# Altium PCB RS2-708_V010.PcbDoc (part 3 of 4)
Units mil, origin at the board's own origin, x right, y up, seen from the top; angles counter-clockwise.
Board outline 2677.17 x 2677.17 mil, 4 copper layers (Top Layer, Layer 1, Layer 2, Bottom Layer), stack 30.841 mil thick; 243 components, 173 nets, 854 pads, 395 vias.
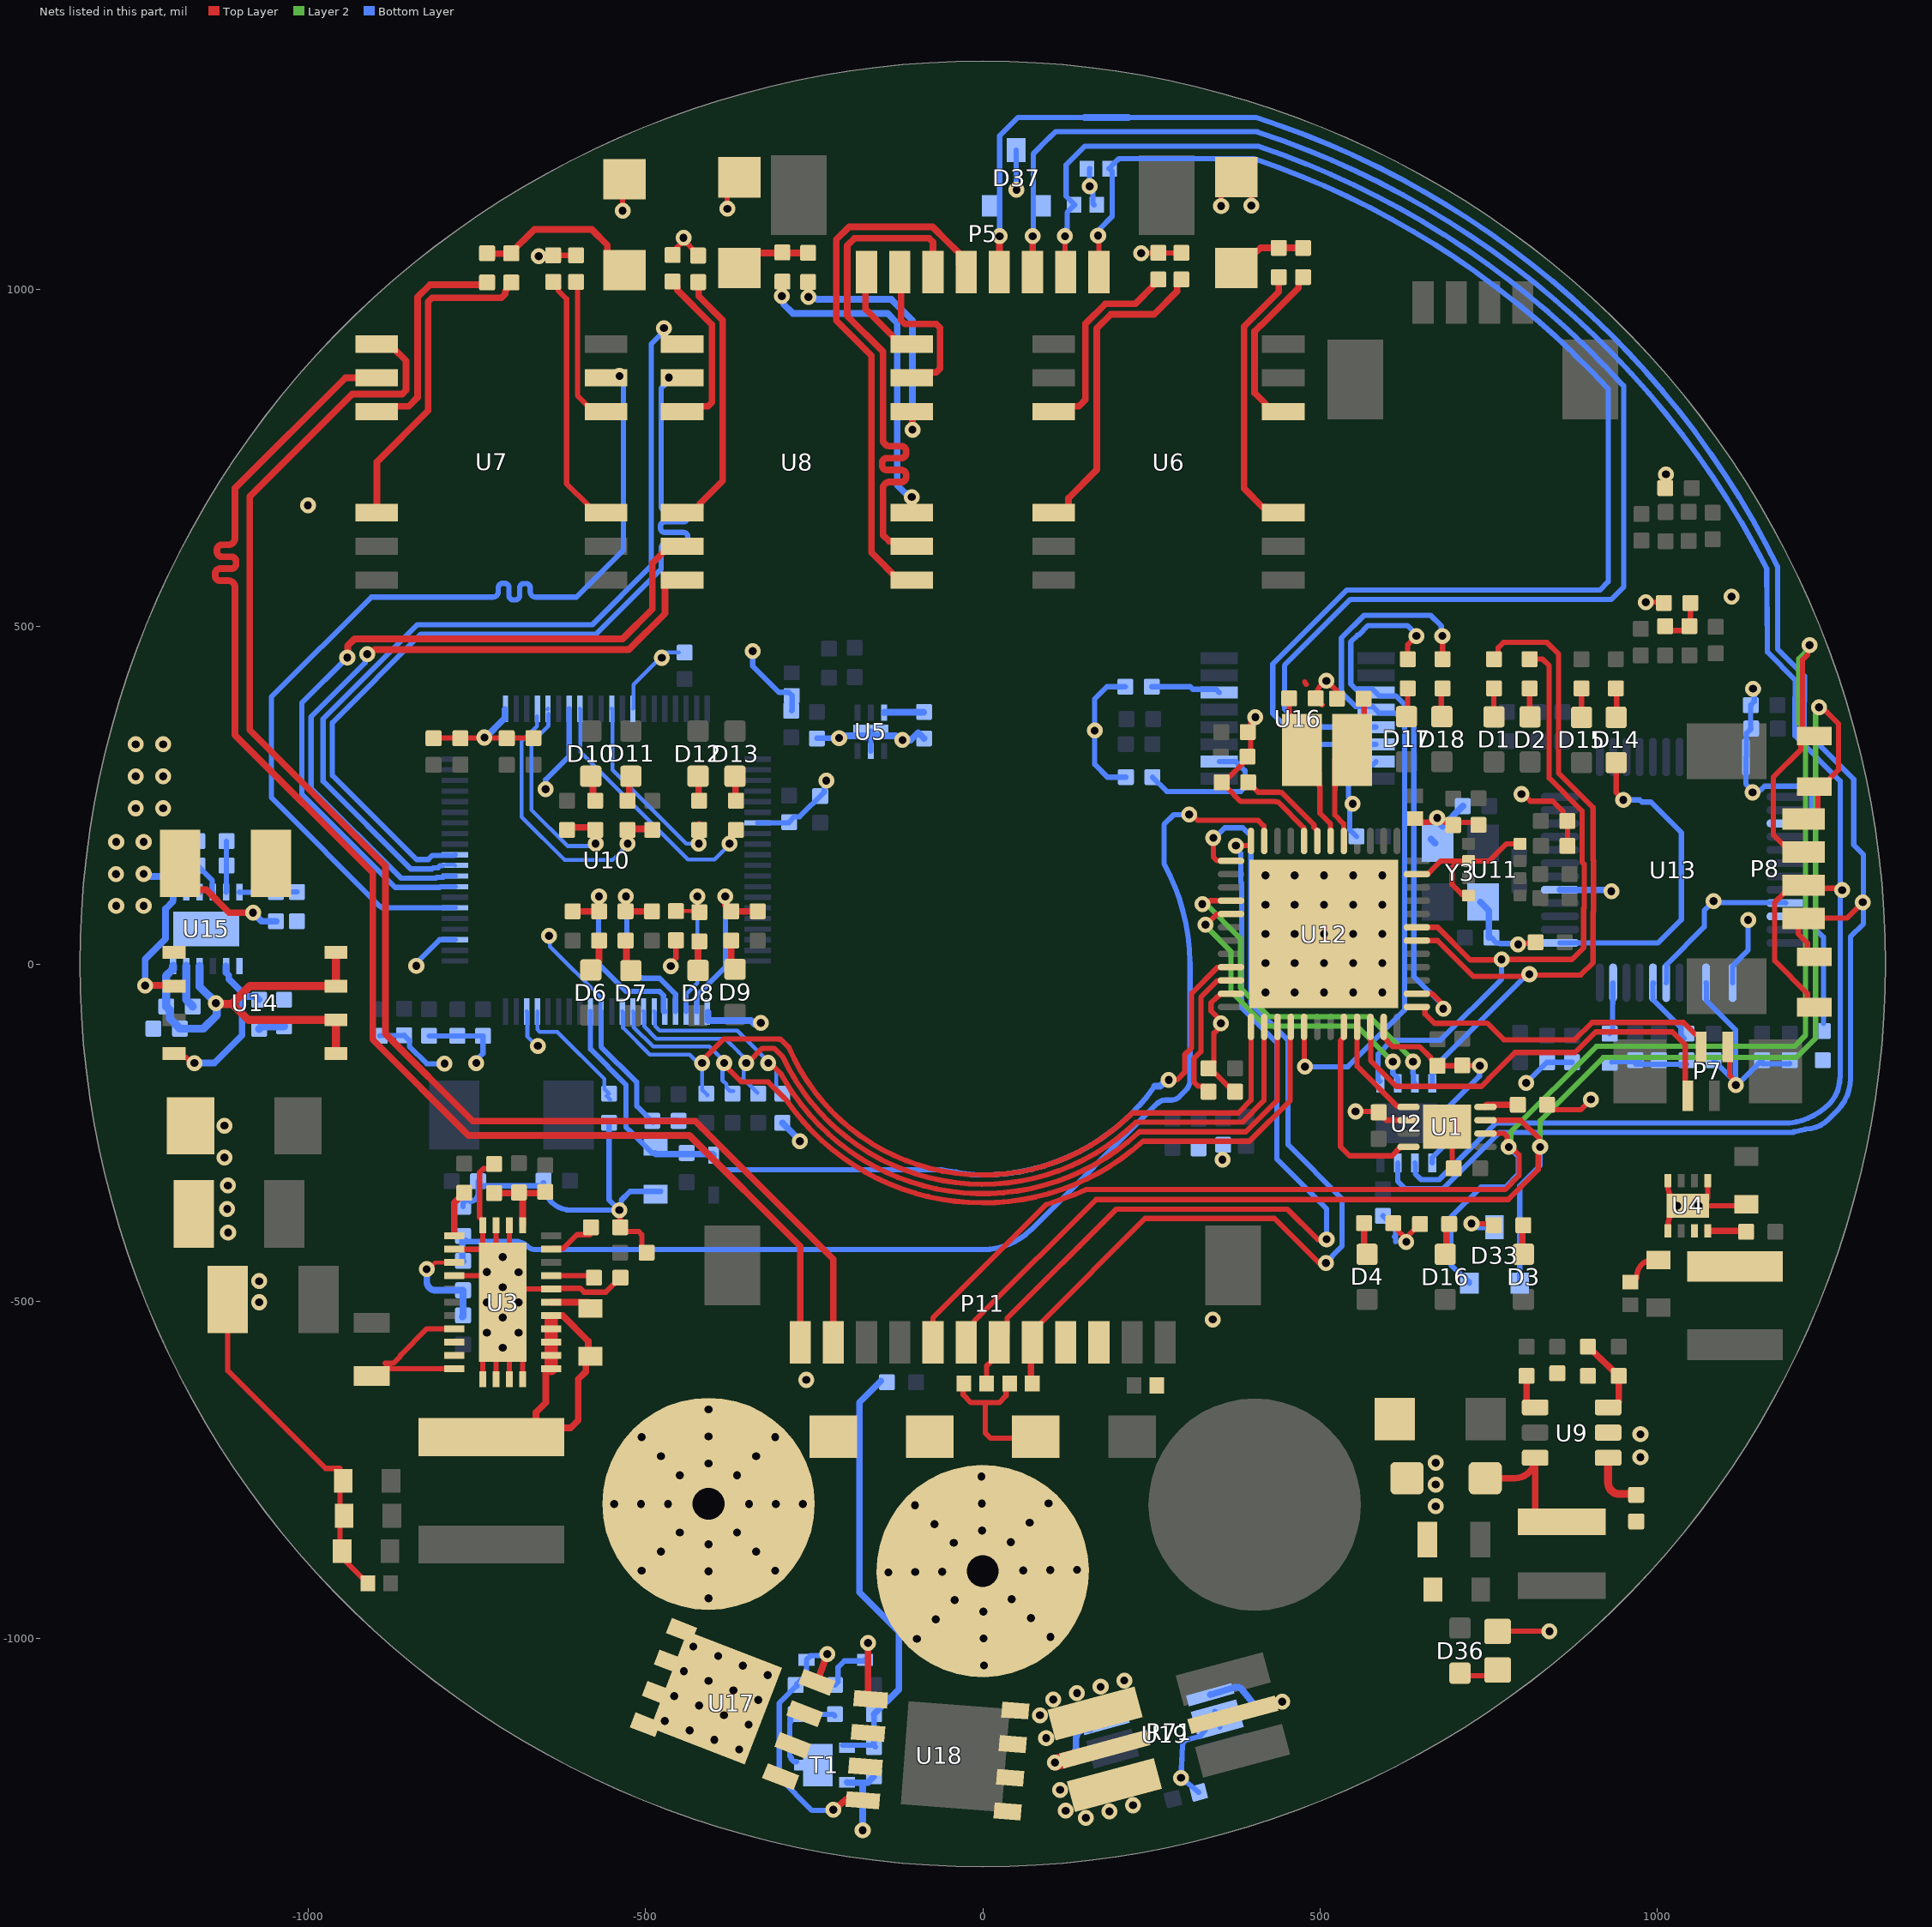
[diagram p5: the nets of this part, all layers, seen from the top]

## Via types
v1: diameter 23.62, hole 11.81, Top Layer to Bottom Layer, tented both sides, 246 vias
v2: diameter 23.62, hole 11.81, Top Layer to Bottom Layer, tented bottom, 109 vias
v3: diameter 23.62, hole 11.81, Top Layer to Bottom Layer, 37 vias
v4: diameter 78.74, hole 47.24, Top Layer to Bottom Layer, tented bottom, 3 vias

## Nets (pads, with @x,y where several pads share a name; then routed paths per layer and width w, separated by ;. In a path a pad name is that pad's centre, name@x,y a point inside that pad or via, vN(x,y) a via of type N, cw(c..) or ccw(c..) an arc to the next point about the centre after c; other vN are vias at no path point) (continued)
C_TD_P: U7.7 U10.6 | length 1428.2
  Bottom Layer w7.87: U10.6@-782.41,83.13 -890.38,83.13 -892.35,85.1 -893.31,85.1 -1054.97,246.76 -1054.97,395.51 -906.48,544 -730.07,544 -726.14,544 ccw(c-726.14,551.87) -718.26,551.87 -718.26,557.99 cw(c-711.96,557.99) -711.96,564.29 -708.81,564.29 cw(c-708.81,557.99) -702.51,557.99 -702.51,546.08 ccw(c-696.22,546.08) -696.22,539.78 -693.07,539.78 ccw(c-693.07,546.08) -686.77,546.08 -686.77,557.72 cw(c-680.47,557.72) -680.47,564.02 -677.32,564.02 cw(c-677.32,557.72) -671.02,557.72 -671.02,551.87 ccw(c-663.14,551.87) -663.14,544 -618.71,544 -602.49,544 -532.74,613.75 -532.74,861.55 -538.64,867.46 v1(-538.64,871.72)
C_TX+: P11.12 U7.10 | length 2161.4
  Top Layer w9.84: U7.10@-909,869 -945,869 -1108.75,705.25 -1108.75,647.56 -1108.75,631.33 cw(c-1118.59,631.33) -1118.59,621.49 -1128.34,621.49 ccw(c-1128.34,614.4) -1135.42,614.4 -1135.42,610.86 ccw(c-1128.34,610.86) -1128.34,603.77 -1114.27,603.77 cw(c-1114.27,596.69) -1107.19,596.69 -1107.19,593.14 cw(c-1114.27,593.14) -1114.27,586.06 -1131.05,586.06 ccw(c-1131.05,578.97) -1138.14,578.97 -1138.14,575.43 ccw(c-1131.05,575.43) -1131.05,568.34 -1118.59,568.34 cw(c-1118.59,558.5) -1108.75,558.5 -1108.75,553.58 -1108.75,339.38 -904.56,135.19 -904.56,-112.18 -762.39,-254.35 -434.89,-254.35 -270.67,-418.56 P11.12@-270.67,-561.02
C_TX-: P11.11 U7.9 | length 2172
  Top Layer w9.84: U7.9@-873,912 -855,894 -855,850.77 -860.77,845 -935,845 -1087,693 -1087,346.83 -885.69,145.52 -885.69,-103.66 -756.21,-233.13 -426.1,-233.13 -221.46,-437.78 P11.11@-221.46,-561.02
CAN1_RX: U1.4 U12.32 | length 291.9
  Top Layer w7.87: U12.32@535.53,-93.3 535.53,-108.6 530.45,-113.67 530.45,-270.93 544.06,-284.53 606.76,-284.53 618.61,-272.68 620.13,-271.17 U1.4@631.41,-271.17
CAN1_TX: U1.1 U12.33 | length 159.5
  Top Layer w7.87: U12.33@555.21,-93.3 555.21,-151.57 615.37,-211.73 631.03,-211.73 U1.1@631.41,-212.11
CAN_H: D33.1 P8.1 P11.7 R39.1 U1.7 | length 2502.2
  Top Layer w7.87: P11.7@-24.61,-561.02 -12.8,-549.21 -12.8,-530.06 -4.66,-521.93 167.87,-349.4 779.41,-349.4 823.71,-305.1 v1@823.71,-271.49 ; U1.7@745.58,-231.8 797.87,-231.8 v1@826.08,-260 ; P8.1@1217.24,215.05 1226.74,215.05 1238.55,226.86 R39.1@1238.55,259.33 ; R39.1@1233.25,263.07 1238.55,263.07 1245.06,263.07 1254.91,272.91 1254.91,273.47 1268.96,287.53 1268.96,356.23 1251.45,373.75 1251.03,373.75 1243.31,381.47 v1@1240.49,381.47
  Layer 2 w7.87: v1(826.51,-271.43) 826.68,-271.26 826.68,-232.32 920.33,-138.67 1206.53,-138.67 1234.95,-110.25 v1@1234.95,373.01
  Bottom Layer w7.87: D33.1@796.35,-473.28 796.35,-328.96 826.61,-298.7 v1@826.61,-268.7
  other v1: 1240,380.51
CAN_L: D33.2 P8.2 P11.8 R39.2 U1.6 | length 2821.8
  Top Layer w7.87: P11.8@-73.82,-572.83 P11.8@-73.82,-561.02 -73.82,-524.82 94.04,-356.96 120.09,-347.97 ccw(c0,0) 153.57,-334.54 774.78,-334.54 795.33,-314 795.33,-283.02 783.74,-271.43 v1@782.94,-271.43 ; U1.6@750.37,-251.1 772.64,-251.1 777.67,-256.13 777.67,-269.08 v1(780.03,-271.43) ; P8.2@1188.85,175.39 1172.36,191.88 1172.36,276.98 1213.09,317.71 1213.09,328.03 1222.93,337.87 R39.2@1233.25,337.87 ; R39.2@1214.3,336.06 1215.71,337.47 1215.71,451.02 1223.08,458.4 1223.08,469.85 v1(1226.1,472.86)
  Layer 2 w7.87: v1@782.94,-271.43 782.94,-249.06 909.86,-122.14 1203.57,-122.14 1220.17,-105.54 1220.17,346.79 1210.13,356.83 1210.13,452.64 1226.1,468.6 v1(1226.1,472.86)
  Bottom Layer w7.87: D33.2@721.55,-473.28 721.55,-471.31 711.71,-461.47 709.74,-461.47 694.13,-445.86 694.13,-375.64 739.08,-330.69 775.14,-330.69 794.44,-311.39 794.44,-285.74 v1@783.56,-274.85
COM_DRAIN: C89.1 C90.2 U14.5 U14.6 U14.7 U14.8 U15.10 U15.12 | length 703.5
  Top Layer w12: v3(-1137,-58) -1135.42,-59.58 -1112.42,-59.58 -1089,-83 U14.6@-959,-83 U14.5@-959,-133 ; -1111.42,-57.42 -1087,-33 U14.7@-959,-33 U14.8@-959,17
  Bottom Layer w12: U15.12@-1200.68,-3 -1200.68,-8.13 -1201.76,-9.2 -1202.58,-9.2 -1210.69,-17.31 C90.2@-1210.69,-63 -1205.15,-68.53 -1205.15,-81.16 C89.1@-1190.32,-96 -1155.68,-96 -1135.68,-76 -1135.68,-59.32 -1161.31,-33.69 U15.10@-1161.31,-3
CurrentSense_+: R71.3 U19.8 | length 114.2
  Top Layer w23.62: v1(106.96,-1184.27) R71.3@135.94,-1176.51
  Bottom Layer w9.84: v1(106.96,-1184.27) 128.15,-1178.34 ccw(c125.5,-1168.87) 134.35,-1173.17 137.45,-1166.79 ccw(c128.6,-1162.49) 138.44,-1162.49 138.44,-1148.57 cw(c152.05,-1148.57) 152.05,-1134.96 U19.8@159.11,-1134.96
CurrentSense_-: R71.4 U19.1 | length 126.6
  Bottom Layer w9.84: U19.1@337.5,-1083.43 366.32,-1074.81 374.14,-1072.65 ; 374.18,-1072.64 cw(c376.77,-1082.14) 384.42,-1075.94 404.15,-1100.3 ; 404.17,-1100.33 ccw(c411.8,-1094.11) 414.84,-1103.47 442.09,-1094.59 v1(444.07,-1093.95) v1@442.8,-1096.76
D_RD_N: U8.8 U10.9 | length 1020.3
  Top Layer w9.84: v1(-912.75,459.36) -908.49,459.36 -901.85,466 -525,466 -471,520 U8.8@-471,570
  Bottom Layer w7.87: v1(-912.75,459.36) -915.77,456.34 -915.77,446.52 -996,366.29 -996,260.61 -862.56,127.17 -810.86,127.17 -809.62,128.41 -800.13,128.41 -798.16,130.38 U10.9@-782.41,130.38
D_RD_P: U8.7 U10.8 | length 1100.8
  Top Layer w9.84: v1(-942.26,454.45) -941.69,455.02 -941.69,471.77 -931.46,482 -534,482 -490,526 -490,594 U8.7@-472,612
  Bottom Layer w7.87: v1(-942.26,454.45) -1009.78,386.93 -1009.78,252.08 -871.09,113.39 -805.15,113.39 -803.91,114.63 U10.8@-782.41,114.63
D_RX+: P5.6 U8.10 | length 792.2
  Top Layer w9.84: U8.10@-105.51,619.09 -113.39,626.97 -138.97,626.97 -147.83,635.83 -147.83,682.12 -147.83,704.76 cw(c-137.99,704.76) -137.99,714.6 -120.72,714.6 ccw(c-120.72,721.68) -113.63,721.68 -113.63,725.23 ccw(c-120.72,725.23) -120.72,732.31 -142.17,732.31 cw(c-142.17,739.4) -149.25,739.4 -149.25,742.94 cw(c-142.17,742.94) -142.17,750.03 -120.72,750.03 ccw(c-120.72,757.12) -113.63,757.12 -113.63,760.66 ccw(c-120.72,760.66) -120.72,767.75 -137.99,767.75 cw(c-137.99,777.59) -147.83,777.59 -147.83,814.21 -147.83,907.83 -201,961 -201,1065 -190,1076 -79.58,1076 -73.82,1070.23 P5.6@-73.82,1025.59
D_RX-: P5.5 U8.9 | length 800.6
  Top Layer w9.84: U8.9@-105.51,569.09 -124.21,569.09 -165,609.88 -165,902 -217,954 -217,1074 -198,1093 -74.31,1093 -54.25,1072.93 -35.43,1054.12 -35.43,1036.42 P5.5@-24.61,1025.59
D_TD_N: U8.2 U10.11 | length 1322.4
  Bottom Layer w7.87: U10.11@-782.41,161.87 -783.39,160.89 -816.11,160.89 -822.27,154.73 -839.61,154.73 -964.43,279.54 -964.43,357.57 -833,489 -573,489 -476.94,585.06 -476.94,596.52 -476.94,616.21 cw(c-469.06,616.21) -469.06,624.08 -443.67,624.08 ccw(c-443.67,630.38) -437.37,630.38 -437.37,633.53 ccw(c-443.67,633.53) -443.67,639.83 -471.48,639.83 cw(c-471.48,646.13) -477.78,646.13 -477.78,649.28 cw(c-471.48,649.28) -471.48,655.58 -443.67,655.58 ccw(c-443.67,661.88) -437.37,661.88 -437.37,665.03 ccw(c-443.67,665.03) -443.67,671.33 -469.06,671.33 cw(c-469.06,679.2) -476.94,679.2 -476.94,754.97 -476.94,853.33 -472.02,858.25 -472.02,858.39 -465.39,865.01 v1(-465.39,869.28)
D_TD_P: U8.1 U10.10 | length 1279.6
  Bottom Layer w5.91: U10.10@-795.4,147.11 -783.39,147.11 U10.10@-782.41,146.13
  Bottom Layer w7.87: U10.10@-800.95,145.62 -804.71,145.62 -807.78,142.55 -814.96,142.55 -816.57,140.95 -848.14,140.95 -978.2,271.02 -978.2,363.28 -838.71,502.78 -579.22,502.78 -491.56,590.44 -491.56,919.07 -479.1,931.52 -479.1,932.06 -472.67,938.49 v1(-472.67,942.75)
D_TX+: P5.8 U8.16 | length 135.2
  Top Layer w9.84: P5.8@-174,1015 -174,971 -132.09,929.09 -132.09,926.97 -124.21,919.09 U8.16@-105.51,919.09
D_TX-: P5.7 U8.15 | length 251.3
  Top Layer w9.84: P5.7@-121,1035 -121,954.77 -115.23,949.01 -68.95,949.01 -63.19,943.24 -63.19,882.73 -68.95,876.97 -97.64,876.97 U8.15@-105.51,869.09
DGATE: U14.2 U15.1 | length 199
  Top Layer w10: v3(-1242,-32) -1200,-32 U14.2@-1199,-33
  Bottom Layer w10: v3(-1242,-32) -1242,7 -1211.59,37.41 -1211.59,81.83 -1200.68,92.74 U15.1@-1200.68,106.45
EN_12V: R67.2 R79.2 U12.11 | length 1780.6
  Top Layer w7.87: v1(306.29,221.4) 310.34,221.4 318.78,212.96 408.42,212.96 417.04,204.34 417.04,182.67 U12.11@417.42,182.29
  Bottom Layer w7.87: R79.2@-766.46,-409.82 ccw(c-764.52,-409.82) -764.52,-411.77 -689.13,-411.77 ; -690.3,-412.12 cw(c-690.3,-432.69) -675.76,-418.14 ccw(c-662.76,-405.15) -662.76,-423.53 0.54,-423.53 ccw(c0.54,-323.53) 71.25,-394.24 259.17,-206.32 ; 259.7,-206.55 cw(c271.15,-218) 271.15,-201.8 280.26,-201.8 ccw(c280.26,-186.53) 291.05,-197.33 300.5,-187.89 ccw(c283.7,-171.09) 307.46,-171.09 307.46,1.88 ; 268.87,148 268.87,206.72 283.55,221.4 v1(306.29,221.4) ; 269,148.13 cw(c0,0) 307.07,2.85
  Bottom Layer w9.84: R79.2@-771.39,-409.82 -771.39,-439.73 ccw(c-770.58,-439.73) R67.2@-770.58,-440.55
EXRES1: R57.1 U13.10 | length 196.7
  Bottom Layer w7.87: U13.10@1190.69,70.57 1216.11,70.57 1246.69,40 R57.1@1246.69,-88
GND: C1.2 C2.2 C3.2 C4.2 C5.2 C6.2 C7.1 C8.2 C10.2 C11.2 C13.1 C14.2 C15.2 C16.2 C17.2 C18.2 C19.2 C20.2 C21.2 C22.2 C23.2 C25.2 C27.2 C29.2 C30.2 C31.2 C32.2 C33.2 C34.2 C35.2 C36.2 C37.2 C38.2 C39.2 C40.2 C41.2 C42.2 C43.2 C44.2 C45.2 C46.2 C47.2 C48.2 C49.2 C50.2 C51.2 C52.2 C53.2 C54.1 C55.2 C56.1 C57.2 C58.1 C59.2 C60.1 C61.1 C62.2 C64.2 C65.2 C67.2 C68.2 C69.2 C70.2 C71.2 C72.2 C73.2 C74.2 C75.2 C76.2 C77.2 C78.2 C81.2 C82.2 C83.2 C84.2 C85.2 C86.2 C87.2 C88.2 C89.2 C91.2 D20.1 D21.1 D22.2 D23.1 D24.2 D25.2 D26.1 D27.1 D29.2 D30.2 D31.2 D33.3 D34.1 D35.1 D37.3 P7.4 P9.1 P11.3 P11.4 R1.1 R7.1 R8.1 R9.1 R10.1 R22.2 R23.1 R27.2 R44.2 R45.1 R46.1 R48.1 R51.1 R57.2 R60.1 R68.1 R75.2 R77.1 R79.1 T1.2 U1.2 U1.9 U2.5 U3.7 U3.13 U3.14 U3.15 U3.17 U3.19 U3.23 U3.24 U3.25 U3.26 U3.27 U3.28 U3.29 U3.30 U3.31 U4.1 U4.4 U4.5 U4.9 U5.2 U5.7 U9.2 U10.3 U10.21 U10.27 U10.33 U10.47 U10.61 U10.71 U10.78 U11.1 U11.5 U11.7 U12.8 U12.23 U12.35 U12.47 U12.49 U13.3 U13.9 U13.14 U13.16 U13.19 U13.29 U13.48 U15.7 U15.13 U16.15 U19.2 U19.3 Y3.2 Y3.4 | length 9367.9
  Top Layer w7.87: C7.1@-1119.56,-497.58 -1119.56,-603.04 -974.61,-747.99 -953.04,-747.99 C88.2@-953.04,-867.95 ; C88.2@-950.93,-879.51 -919.21,-911.23 -918.22,-911.23 -911.33,-918.12 D23.1@-911.33,-919.11 ; C40.2@-809.02,336.14 -807.81,334.92 C33.2@-666.26,334.92 ; U3.26@-783.54,-600.08 -877.87,-600.06 -885.9,-592.04 -874.09,-592.04 -863.26,-581.21 -863.26,-579.87 -824.4,-541.01 U3.23@-783.54,-541.02 ; U3.19@-783.54,-462.28 U3.31@-743.18,-462.27 ; U3.17@-783.54,-422.91 -783.41,-423.02 -743.18,-423.02 U3.31@-741.21,-424.99 ; U3.27@-741.22,-615.83 -741.21,-539.04 U3.31@-721.53,-519.36 ; R8.1@-724.39,-296.51 -731.48,-303.6 -740.49,-303.6 -746.04,-309.15 -746.04,-375.75 -741.21,-380.58 U3.31@-741.21,-424.99 ; U3.28@-721.54,-615.83 U3.31@-721.53,-519.36 ; U3.31@-721.53,-456.76 U3.14@-721.54,-387.48 ; U3.29@-701.84,-615.81 U3.31@-701.84,-511.48 ; U3.13@-701.84,-387.47 U3.31@-701.84,-491.8 ; U3.30@-682.17,-615.83 -682.16,-531.17 U3.31@-701.84,-511.48 ; v1(-658.5,1049.55) -657.37,1050.69 C18.2@-637,1050.69 C20.2@-603,1050.69 ; -624.74,-480.97 -638.85,-480.97 U3.7@-639.84,-481.97 -692,-481.95 U3.31@-701.84,-491.8 ; -624.7,-480.94 -596.97,-480.94 -591.1,-486.81 -558.88,-486.81 C4.2@-537.23,-465.16 ; v1(-538.9,-365.07) -538.24,-365.73 -538.24,-389.8 R7.1@-537.58,-390.46 ; v1@-534,1115 -534,1160.32 C22.2@-531,1163.32 ; R7.1@-531.36,-396.68 -510.15,-396.68 -505.54,-401.3 -505.54,-420.99 C13.1@-498.41,-428.12 ; v1(-462.45,-3.24) -462.45,1.03 -454.92,8.56 R27.2@-454.92,35.01 ; C23.2@-460,1055.69 v1@-446.68,1069.01 ; v1(-443.66,1076.55) -446.68,1073.54 v1@-446.68,1069.01 ; C25.2@-425,1054.69 -443,1072.69 v1@-446.68,1069.01 ; v1(-378.74,1119.68) -378.74,1148.59 C27.2@-361,1166.32 -361,1162.47 C27.2@-341.85,1143.31 ; D30.2@-28.88,-620.15 -28.88,-638.88 -17.21,-650.55 6.86,-650.55 ; D29.2@39.99,-621.87 34.72,-627.13 34.72,-640.2 24.37,-650.55 6.86,-650.55 ; D20.1@56.71,-703.31 11.73,-703.31 3.7,-695.29 3.7,-653.71 6.86,-650.55 ; v1(234.86,1053.96) 235.2,1054.31 C17.2@260.48,1054.31 C19.2@294.48,1054.31 ; C50.2@334.9,-154.78 342.77,-162.65 344.68,-162.65 363.18,-181.14 366.39,-181.14 C55.2@374.27,-189.02 ; C50.2@338.64,-151.03 342.77,-146.9 342.77,-102.65 353.11,-92.31 353.11,-84.32 338.68,-69.89 338.68,-57.66 347.33,-49.01 347.99,-49.01 352.91,-44.09 U12.23@368.2,-44.09 ; v1(353.54,1123.8) 353.54,1142.5 352.7,1143.34 C21.2@376,1166.65 398.36,1144.28 v1(398.36,1124.22) ; C57.2@353.97,261.81 354.34,261.44 362.14,261.44 382.69,240.89 433.64,240.89 434.04,240.49 437.5,240.49 476.1,201.89 476.1,193.11 U12.8@476.49,192.71 ; C57.2@354.26,269.31 362.14,277.19 365.38,277.19 371.98,283.79 379.13,290.97 C54.1@385.06,296.87 ; C54.1@392.3,299.89 397.36,304.95 v1@397.36,357.54 ; 477.51,418.11 479.7,414.71 ; C58.1@496.03,386.4 496.03,405.15 v1@502.76,415.58 ; C58.1@502.87,384.37 C58.1@503.11,384.14 ; v1@514.36,415.58 525.93,404.01 C56.1@525.93,385.24 ; v1(552.9,-218.67) 585.59,-218.67 C2.2@586.9,-219.99 598.71,-231.8 U1.2@631.41,-231.8 ; U12.35@594.58,-93.3 594.58,-108.6 599.5,-113.52 599.5,-114.18 608.15,-122.83 620.38,-122.83 648.02,-122.83 664.4,-139.2 664.4,-140.95 672.17,-148.72 672.17,-150.19 C53.2@680,-150.19 ; R10.1@608.73,-384.35 616.6,-392.22 616.6,-396.3 625.1,-404.8 631.12,-404.8 631.12,-402.85 R68.1@648.39,-385.59 ; D26.1@640.61,210.07 663.15,210.07 668.52,215.45 v1@674.44,215.45 ; U12.47@643.8,133.08 644.17,133.46 U12.47@659.94,133.46 ; U12.47@659.9,133.42 U12.47@659.94,133.46 ; v1(673.97,216.63) 678.23,216.63 685.09,209.77 C48.2@733.11,209.77 ; C53.2@682,-151 717,-151 717.33,-150.67 736.66,-150.67 v1(737.05,-151.06) ; U1.9@690.98,-257.61 696.07,-262.71 696.07,-308.38 C1.2@696.83,-309.15 ; 710.45,149.97 702.97,149.97 695.89,142.89 695.89,117.67 710.51,103.04 ; U11.5@715.55,106.35 U11.5@720.47,101.43 ; v1(724.76,-385.14) 754.11,-385.14 R9.1@760.04,-391.07 ; R77.1@768.97,-989.25 839.99,-989.25 v1(840.44,-989.71) ; v1(794,29) 795.55,30.55 818.21,30.55 R44.2@819.75,32.09 ; U11.1@796.85,178.2 776.7,178.2 751.11,152.61 U11.7@720.47,152.61 679.29,152.61 664.67,138 664.48,138 U12.47@659.94,133.46 ; v1(798.8,251.79) 801.35,251.79 811.95,241.19 845.53,241.19 860.75,225.97 860.75,215.33 C46.2@867.02,209.05 ; R1.1@831.65,-216 887,-216 v1(902,-201) ; C46.2@865.09,207.12 867.13,205.08 C47.2@867.13,174.99 ; D22.2@960.46,-471.96 D22.2@960.46,-471.96 ccw(c960.51,-462.21) 970.26,-462.21 cw(c993.59,-462.21) 993.59,-438.88 C11.2@1002.04,-438.88 ; v1(983.38,536.43) 1007.73,536.43 1008.32,537.01 C64.2@1010.17,535.15 ; v1(1013.01,725.99) 1013.01,728.82 1013.95,729.75 1013.95,702.68 C59.2@1013.69,702.43 ; U4.5@1016.07,-395.89 1016.07,-388.02 cw(c1045.6,-388.02) U4.9@1045.6,-358.49 cw(c1045.6,-328.96) 1016.07,-328.96 U4.4@1016.07,-321.09 ; U4.1@1075.12,-321.09 1075.12,-344.71 cw(c1061.34,-344.71) v2(1061.34,-358.49) 1118.98,-358.49 ccw(c1118.98,-357.13) C10.2@1120.34,-357.13 ; P7.4@1104.72,-136.84 1107.68,-139.81 1107.68,-165.35 1113.76,-171.43 1113.76,-176.63 v1(1116.78,-179.65) ; U3.31@-741.21,-424.99 -741.21,-472.11 U3.31@-711.69,-501.64 ; U3.31@-721.53,-519.36 -721.53,-511.48 U3.31@-711.69,-501.64 ; U3.31@-711.69,-501.64 U3.31@-701.84,-511.48 ; U3.31@-711.69,-501.64 U3.31@-701.84,-491.8
  Bottom Layer w5.91: U10.78@-676.11,-70.41 -675.21,-71.31 -675.21,-107.77 -661.48,-121.49 v1(-659.69,-121.49) ; v1(-643.18,41.75) -641.67,40.24 -641.67,25.84 -566.86,-48.97 -566.86,-69.43 U10.71@-565.87,-70.41 ; U10.33@-518.63,378.41 -517.65,379.39 -517.65,414.35 -470,462 C45.2@-450.69,462
  Bottom Layer w7.87: C36.2@-894,-106.69 -893.5,-106.19 -858.5,-106.19 C37.2@-858,-105.69 -850.13,-113.56 -850.13,-122.39 -824.51,-148 v1(-798,-148) ; v1(-839.86,-2.78) -839.86,1.43 -805.4,35.89 U10.3@-782.41,35.89 ; C41.2@-821,-106.69 C35.2@-779,-106.69 C39.2@-741,-106.69 -741,-132.74 -751,-142.74 v1(-751,-147) ; R79.1@-770.58,-359.95 -770.71,-358.68 -770.76,-358.25 -770.76,-357.83 -770.76,-354.57 R79.1@-768.45,-352.26 ; R79.1@-760.58,-352.35 ccw(c-760.58,-340.07) -748.3,-340.07 C30.2@-748.3,-322.25 ; C30.2@-745.22,-329 C29.2@-651.69,-329 ; C29.2@-651.39,-324.39 ccw(c-610.7,-324.39) -610.7,-365.07 v1(-538.9,-365.07) ; v1(-648.08,259.05) -648.08,273.22 -613.12,308.19 U10.27@-613.12,378.41 ; U10.71@-565.87,-70.41 -565.87,-122.75 -513.97,-174.65 -513.25,-174.65 -513,-174.91 -513,-211 C43.2@-489,-235 ; R23.1@-554,-235.65 -554,-349.79 v1@-538.05,-365.74 ; v1@-535.99,-362.16 -535.99,-350.33 -522.94,-337.28 C31.2@-477.3,-337.28 ; v1(-341.17,463.96) -341.17,441.72 -302.11,402.65 -287.78,402.65 D24.2@-283.15,398.02 ; U10.47@-333.59,209.12 C34.2@-287.24,209.12 ; C34.2@-287,210.31 -279.22,218.1 -271.59,218.1 -235.02,254.66 -235.02,268.89 v1(-232.01,271.9) ; C15.2@-283.31,375.37 -282.63,376.06 D24.2@-282.63,398.04 ; C14.2@-246,334.31 -245.66,334.66 -213.34,334.66 v1(-213,335) ; U5.2@-166,315.56 U5.7@-166,344 ; D37.3@49.65,1206.76 49.65,1148.3 v1(50.15,1147.8) ; v1@157.78,1152.12 v1(158.65,1153) 158.65,1148.74 163.52,1143.88 163.52,1127.07 D34.1@165.09,1125.49 ; v1@158.33,1153.33 158.33,1178.9 D35.1@158.67,1179.24 ; C82.2@211.31,411 184,411 166,393 v1(166,346) 166,296 185,277 C81.2@212.31,277 ; 296.41,-1157.95 v1(294.14,-1206.85) C84.2@320.22,-1228.3 ; 296.41,-1157.92 cw(c304.27,-1158.31) 302.17,-1150.72 322.34,-1145.15 U19.3@329.88,-1136 ; U19.2@344.32,-1108.09 346.24,-1112.3 350.63,-1128.16 U19.3@351.77,-1131.77 ; C78.2@554.31,189 544.09,199.23 544.09,228.54 548.62,233.07 548.62,241.59 542.5,247.71 542.5,284.5 553.1,295.1 578.22,295.1 U16.15@583.14,300.02 ; C3.2@593.46,-373.58 612.29,-392.4 612.29,-412.07 ; 610.48,-404.29 612.29,-406.1 ; U2.5@666.59,-295.11 666.59,-287.24 691,-262.83 691,-212 736.61,-166.39 v1@736.61,-152.59 ; v1@718.26,-382.26 726.14,-382.26 734.48,-390.6 D33.3@758.95,-390.6 ; v1(737.05,-151.06) v1@744.06,-151.06 ; C60.1@754.37,39 762.24,31.13 765.84,31.13 766.86,30.11 792.89,30.11 v1(794,29) ; v1(806,-176.35) 806.11,-176.35 C74.2@836.46,-146 ; C74.2@836.83,-145.63 C74.2@836.46,-146 ; C73.2@873.83,-145.63 873.46,-146 C74.2@836.46,-146 ; R60.1@932.69,-145.65 933.67,-144.67 966.7,-144.67 C75.2@967.69,-143.69 ; C75.2@967.69,-147.69 968.69,-148.69 C75.2@974.69,-148.69 ; C75.2@974.69,-141.69 C75.2@974.69,-148.69 ; U13.19@1013.52,-27.85 1014.27,-27.1 1014.27,-0.88 1069.9,54.75 1069.9,79.22 v1(1083.69,93) 1085.67,91.01 1189.93,91.01 U13.9@1190.69,90.26 ; C62.2@1034.69,-149.69 C62.2@1033.69,-148.69 ; C62.2@1043.69,-148.69 C62.2@1033.69,-148.69 ; U13.16@1072.57,-27.85 1073.33,-28.6 1073.33,-54.78 1116.25,-97.7 v1@1116.25,-179.84 ; C69.2@1083.86,-142.59 1110.01,-168.75 ; U13.14@1111.94,-27.85 1111.94,-4.15 1113.91,-2.18 1113.91,-0.66 1135,20.43 v1(1135,65) ; v1@1123.37,-175.92 1116.44,-175.92 1111.36,-181 1117.4,-181 C71.2@1155.69,-142.72 ; v1(1142.36,408.06) 1150.64,408.06 1144.22,401.64 1144.22,389.12 C67.2@1138.88,383.78 1138.88,349.62 C68.2@1139.44,349.06 1132.38,342 1132.38,307.55 U13.48@1131.63,306.8 1131.63,266.85 1141.45,257.03 v1(1141.45,254.36) 1144.46,257.37 1153.25,257.37 1159.36,263.49 1222.48,263.49 1229.07,256.9 1229.07,221.53 1216.66,209.12 U13.3@1191.44,209.12 ; C71.2@1154.45,-146.45 1156.19,-148.19 1196.19,-148.19 C72.2@1196.69,-147.69 ; C75.2@974.69,-148.69 C62.2@1033.69,-148.69
  Bottom Layer w9.84: v1(-738.91,335.69) -737.33,335.69 -710.37,362.66 -709.57,362.66 -708.59,363.65 U10.21@-708.59,377.43 ; C43.2@-490,-232.69 C42.2@-451,-232.69 ; U10.61@-407.41,-71.39 -407.41,-84.04 -343.69,-84.04 -338.73,-89 -337.16,-87.43 v1(-328.88,-87.43) ; R22.2@-297,-235.65 -271,-261.65 v1(-271,-263) ; v1(-213,335) -209.67,338.33 -176.78,338.33 -174.22,335.78 U5.7@-166,344 -160.33,338.33 -129.06,338.33 -122.73,332 v1(-119,332) -106.69,332 -95.69,343 C16.2@-87,334.31 ; T1.2@-201.14,-1213.37 -200.53,-1213.99 -170.52,-1213.99 R75.2@-161.17,-1204.63 ; v1@-178.04,-1285.98 -178.04,-1218.02 ; Y3.2@664.75,185 Y3.2@670.75,179 ; v1(673.97,216.63) 673.97,211.59 681.78,203.78 C61.1@712,234 ; Y3.4@737.75,92 750.43,79.32 C60.1@750.43,39 ; U13.29@856.04,109.94 856.17,109.82 906.46,109.82 906.63,109.64 930.68,109.64 932.2,108.12 v1(932.2,107.74)